# Altium PCB Thermostat_EEM.PCBDOC (part 9 of 10)
Units mm, origin at the board's own origin, x right, y up, seen from the top; angles counter-clockwise.
Board outline 162.48 x 100 mm, 4 copper layers (TOP, G1, L2, BOT), stack 1.55 mm thick; 903 components, 476 nets, 2667 pads, 1400 vias.
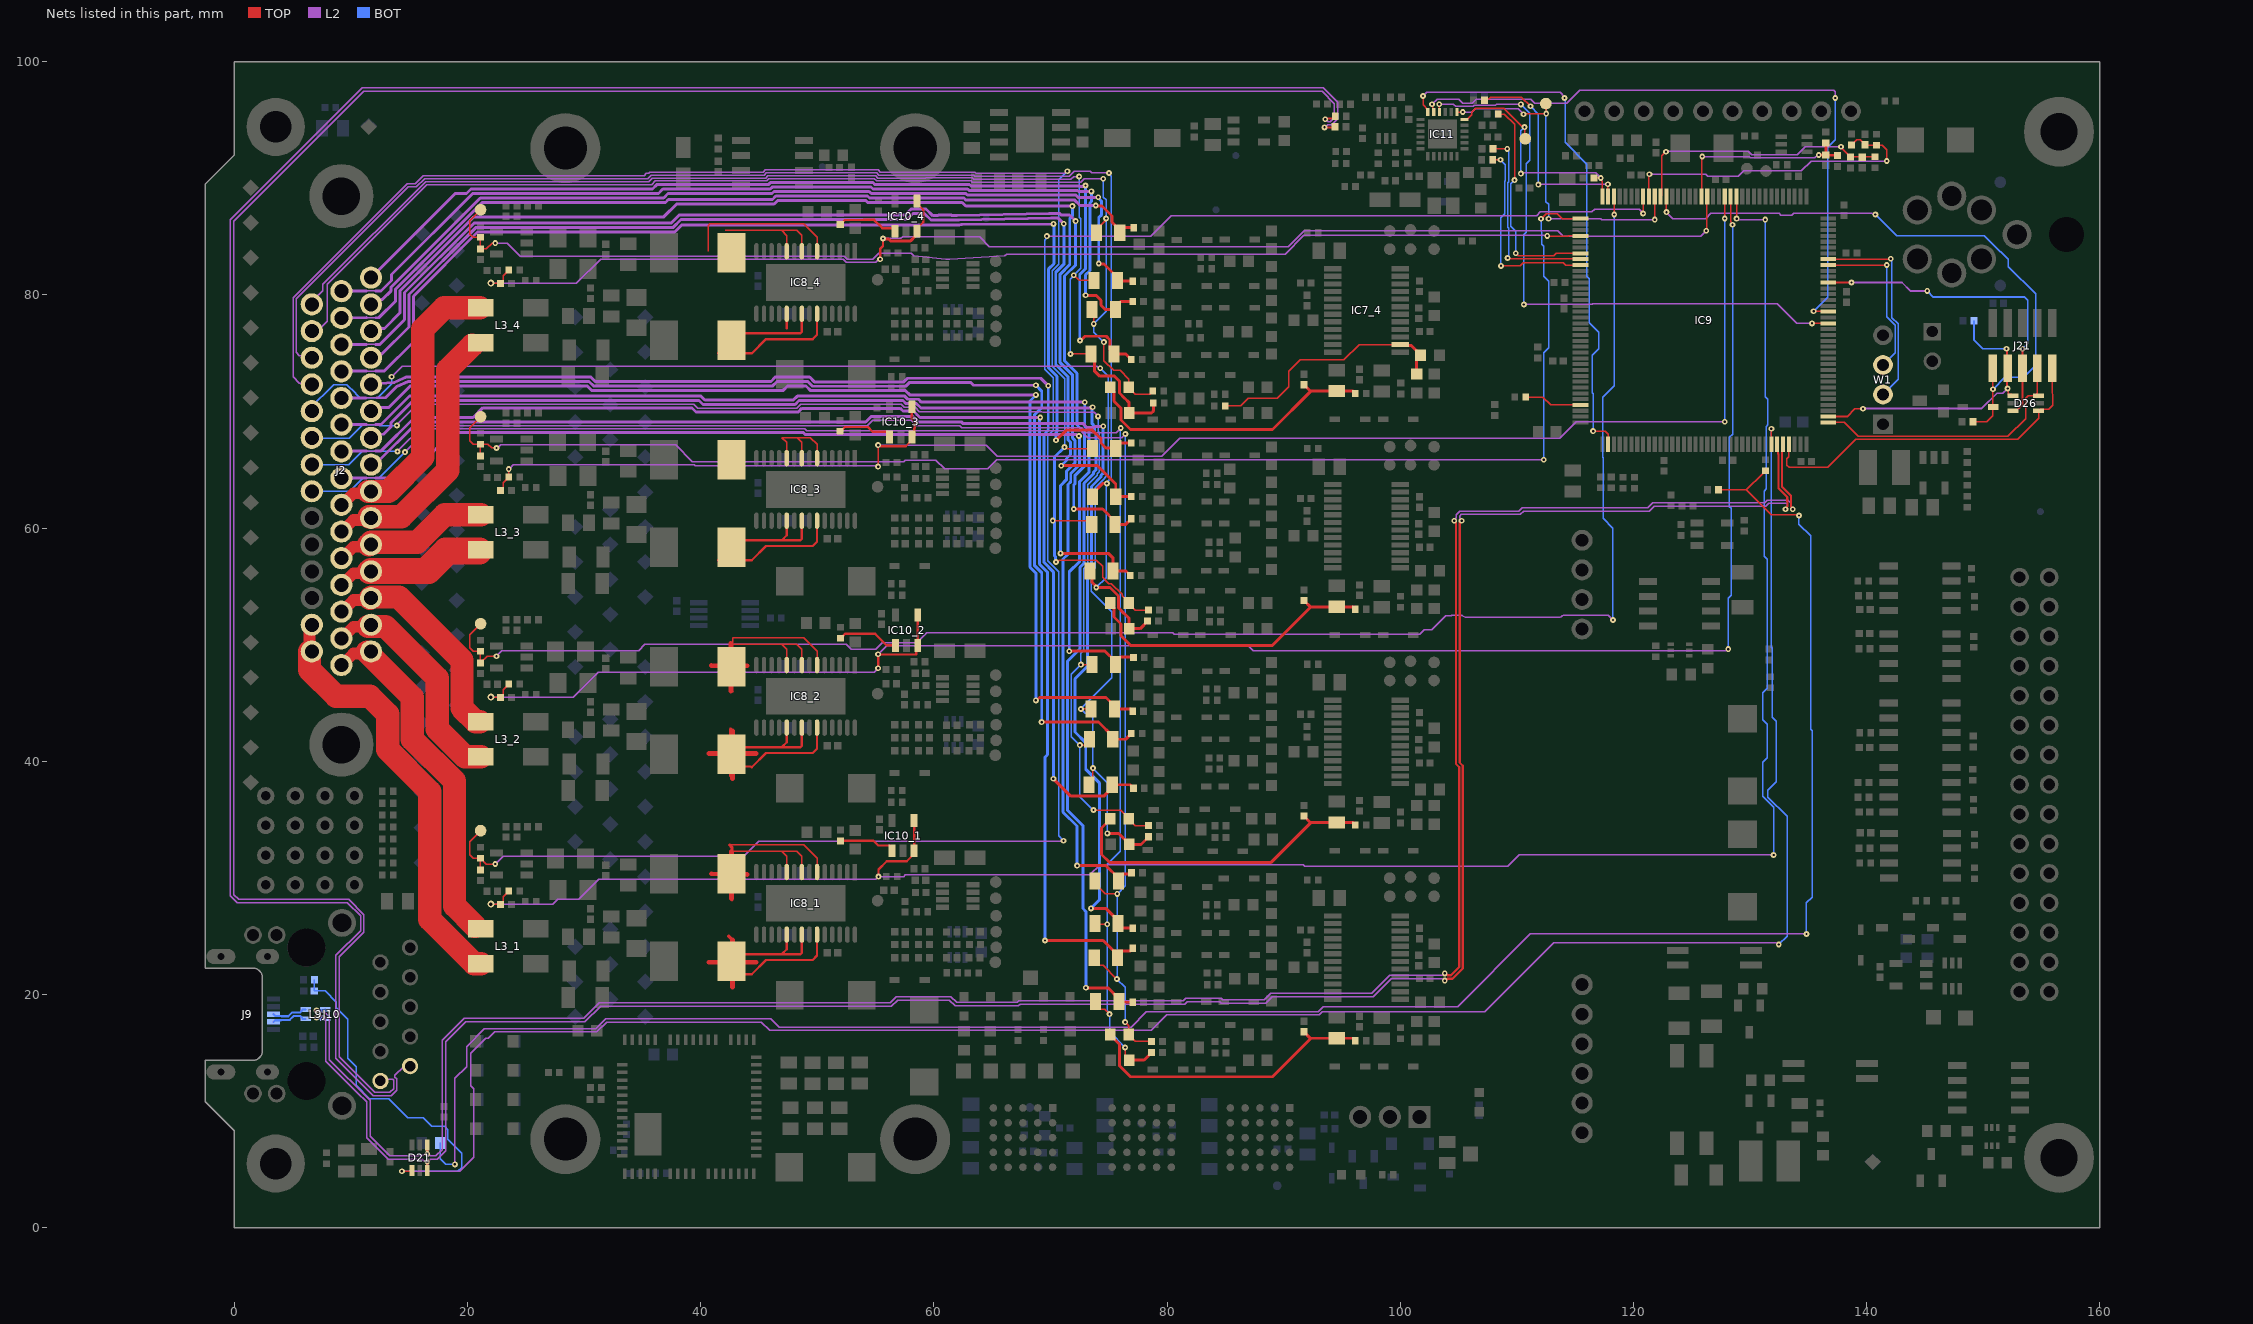
[diagram p11: the nets of this part, all layers, seen from the top]

## Via types
v1: diameter 0.5, hole 0.2, TOP to BOT, tented both sides, 1027 vias
v2: diameter 0.7, hole 0.4, TOP to BOT, tented both sides, 186 vias
v3: diameter 0.6, hole 0.3, TOP to BOT, tented both sides, 97 vias
v4: diameter 0.6, hole 0.3, TOP to BOT, 81 vias
v5: diameter 0.66, hole 0.33, TOP to BOT, tented both sides, 9 vias

## Nets (pads, with @x,y where several pads share a name; then routed paths per layer and width w, separated by ;. In a path a pad name is that pad's centre, name@x,y a point inside that pad or via, vN(x,y) a via of type N, cw(c..) or ccw(c..) an arc to the next point about the centre after c; other vN are vias at no path point) (continued)
REF-_4: C121_4.1 C123_4.2 IC7_4.2 R153_4.2 | length 21.9
  TOP w0.127: R153_4.2@84.998,70.481 86.324,70.481 86.98,71.136 89.466,71.136 90.439,72.109 90.439,73.456 91.412,74.429 95.155,74.429 96.474,75.748 IC7_4.2@100.021,75.748
  TOP w0.254: IC7_4.2@100.021,75.748 100.119,75.65 100.971,75.65 101.753,74.869 101.753,74.819 101.403,74.469 C123_4.2@101.403,73.206
RMII_CRS_DV: IC9.43 R27.1 | length 18.9
  TOP w0.127: R27.1@108.41,95.522 108.929,95.522 109.815,94.636 109.815,89.864 v1(109.803,89.852) ; v1(109.904,83.575) 110.102,83.377 113.171,83.377 113.362,83.569 IC9.43@115.453,83.569
  BOT w0.127: v1@109.879,89.776 109.727,89.776 109.486,89.534 109.486,85.895 109.904,85.477 v1(109.904,83.575)
RMII_MDC: B16.1 IC9.27 IC11.13 | length 29.1
  TOP w0.127: IC11.13@104.87,95.7 104.883,95.687 v1(105.356,95.687) ; v1(110.573,95.499) 110.625,95.552 v1(112.522,95.552) 112.522,95.944 112.489,95.977 B16.1@112.489,96.413 ; v1(121.828,86.465) IC9.27@121.828,88.444
  L2 w0.127: v1(105.356,95.687) 106.137,95.687 106.42,95.97 110.102,95.97 v1(110.573,95.499) ; v1@112.818,86.465 112.897,86.544 117.202,86.544 117.282,86.465 v1(121.828,86.465)
  BOT w0.127: v1@110.562,95.511 v1(110.573,95.499) ; v1(112.522,95.552) 112.495,95.525 112.495,87.997 112.727,87.765 v1(112.727,86.544)
RMII_MDIO: B17.1 IC9.36 IC11.12 R98.2 | length 20.6
  TOP w0.127: IC11.12@105.52,95.05 105.725,95.05 106.137,95.462 106.137,95.687 106.473,96.023 108.873,96.023 110.424,94.471 110.579,94.471 v1(110.651,94.4) ; v1@110.641,94.386 110.684,94.344 110.684,93.429 B17.1@110.717,93.396 ; R98.2@116.617,90.037 v1@117.06,90.037 ; v1(117.194,90.031) 117.194,89.903 117.328,89.769 IC9.36@117.328,88.444
  L2 w0.127: v1(110.345,90.41) 110.413,90.477 116.747,90.477 v1(117.194,90.031)
  BOT w0.127: v1(110.345,90.41) 110.345,94.083 110.651,94.388 v1(110.651,94.4)
RMII_REF_CLK: IC9.35 R29.1 | length 18.4
  TOP w0.127: R29.1@107.218,96.695 107.346,96.822 107.624,96.822 107.762,96.96 110.398,96.96 v1(111.174,96.184) ; v1(117.804,89.5) 117.816,89.488 117.816,88.455 IC9.35@117.828,88.444
  L2 w0.127: v1(111.846,89.463) 111.865,89.481 117.786,89.481 v1(117.804,89.5)
  BOT w0.127: v1(111.174,96.184) 111.846,95.512 v1(111.846,89.463)
RMII_RXD0: IC9.44 R23.1 | length 17.1
  TOP w0.127: R23.1@107.946,92.53 R23.1@107.946,92.55 109.156,92.55 v1(109.176,92.53) ; v1(109.211,83.169) 109.279,83.101 115.42,83.101 IC9.44@115.453,83.069
  BOT w0.127: v1(109.176,92.53) 109.176,92.429 109.32,92.286 109.32,89.728 109.232,89.64 109.232,85.79 109.32,85.702 109.32,83.378 109.211,83.27 v1(109.211,83.169)
RMII_RXD1: IC9.45 R24.1 | length 17.1
  TOP w0.127: R24.1@107.94,91.6 v1(108.596,91.6) ; v1(108.638,82.496) 110.272,82.496 110.553,82.777 113.994,82.777 114.203,82.569 IC9.45@115.453,82.569
  BOT w0.127: v1(108.596,91.6) 109.021,91.175 109.021,89.788 108.978,89.745 108.978,86.974 108.638,86.634 v1(108.638,82.496)
RMII_TX_EN: IC9.126 IC11.16 | length 52.3
  TOP w0.127: v1(103.347,96.358) 103.358,96.347 103.358,95.711 IC11.16@103.37,95.7 ; v1(135.312,77.569) IC9.126@136.703,77.569
  L2 w0.127: v1(103.347,96.358) 104.566,96.358 104.739,96.185 106.276,96.185 106.348,96.257 108.163,96.257 108.255,96.35 v1(110.345,96.35) ; v1(110.603,79.184) 116.456,79.184 116.531,79.259 132.321,79.259 134.011,77.569 v1(135.312,77.569)
  BOT w0.127: v1(110.345,96.35) 111.091,95.604 111.091,91.565 110.785,91.26 110.785,85.364 110.603,85.181 v1(110.603,79.184)
RMII_TXD0: IC9.128 IC11.17 | length 57.3
  TOP w0.127: v1(102.72,96.358) 102.72,96.257 102.793,96.184 102.793,95.776 IC11.17@102.87,95.7 ; v1(135.451,78.6) 135.467,78.584 136.687,78.584 IC9.128@136.703,78.569
  L2 w0.127: v1(102.72,96.358) 103.16,96.799 105.013,96.799 105.373,96.439 106.171,96.439 106.522,96.791 111.19,96.791 111.533,96.448 114.276,96.448 115.402,97.573 137.172,97.573 137.311,97.434 v1(137.311,96.888)
  BOT w0.127: v1(135.451,78.6) 136.651,79.8 136.651,92.672 137.311,93.333 v1(137.311,96.888)
RMII_TXD1: IC9.74 IC11.18 | length 46.4
  TOP w0.127: v1(101.954,97.069) 101.954,96.321 102.37,95.905 IC11.18@102.37,95.7 ; v1(116.544,68.327) 117.56,68.327 117.828,68.059 IC9.74@117.828,67.194
  L2 w0.127: v1(101.954,97.069) 102.277,97.392 113.734,97.392 113.893,97.233 113.893,97.177 114.081,96.989 v1(114.081,96.888)
  BOT w0.127: v1(114.081,96.888) 114.133,96.836 114.133,93.083 115.985,91.231 115.985,81.601 116.206,81.381 116.206,77.631 117.04,76.796 117.04,75.393 116.46,74.812 116.46,71.634 116.544,71.549 v1(116.544,68.327)
RSTn: D5.2 IC9.25 J21.10 R62.2 | length 53.3
  TOP w0.127: v1(122.828,87.106) IC9.25@122.828,88.444 ; R62.2@149.126,69.121 150.28,69.121 150.82,69.661 J21.10@150.82,73.6
  L2 w0.127: v1(122.828,87.106) 123.38,86.554 126.188,86.554 126.629,86.994 132.496,86.994 132.645,86.844 133.578,86.844 133.728,86.994 140.484,86.994 140.501,86.977 140.674,86.977 v1(140.745,86.906)
  BOT w0.127: v1(140.745,86.906) 142.561,85.09 150.091,85.09 151.465,83.716 151.492,83.69 152.13,83.052 152.13,82.462 152.158,82.434 154.507,80.085 154.507,73.959 153.485,72.937 151.865,72.937 v1(150.843,71.916)
RXD: IC9.137 W1.2 | length 17.8
  TOP w0.127: IC9.137@136.703,83.069 142.029,83.069 v1(142.066,83.105)
  BOT w0.127: W1.2@141.4,71.46 142.695,72.755 142.695,77.524 142.171,78.047 142.171,82.758 142.137,82.792 142.137,83.034 v1(142.066,83.105)
SENS0_1: J2.23 R40_1.1 R91_1.1 | length 108.2
  TOP w0.254: v1(72.286,31.058) 74.774,31.058 R91_1.1@75.837,29.995 ; R91_1.1@75.837,29.745 R91_1.1@75.837,29.995 ; R40_1.1@76.96,30.443 76.859,30.343 76.185,30.343 R91_1.1@75.837,29.995
  L2 w0.127: 11.358,64.312 12.102,64.312
  L2 w0.254: J2.23@9.207,64.312 11.358,64.312 ; 12.102,64.312 14.814,64.312 18.724,68.223 48.786,68.223 48.964,68.045 72.221,68.045 v1@72.228,68.038
  BOT w0.254: v1(72.286,31.058) 72.286,34.448 71.087,35.646 71.087,57.355 71.495,57.763 71.495,63.743 71.741,63.989 71.741,64.699 72.472,65.429 72.472,67.866 v1(72.436,67.903)
SENS0_2: J2.8 R42_1.1 R44_1.1 | length 113
  TOP w0.254: v1(73.485,27.396) 74.748,27.396 75.81,26.334 75.81,25.834 75.948,25.696 R42_1.1@77.05,25.696
  L2 w0.254: J2.8@11.73,65.457 12.073,65.457 15.727,69.112 54.158,69.112 54.61,69.564 58.194,69.564 58.64,69.118 62.357,69.118 62.48,68.995 72.775,68.995 73.14,68.63 73.743,68.63 73.853,68.74 v1(74.522,68.74)
  BOT w0.254: v1(73.485,27.396) 74.191,28.102 74.191,38.16 73.029,39.322 73.029,41.603 72.103,42.529 72.103,47.082 73.17,48.149 73.17,56.377 73.519,56.727 73.519,63.585 74.337,64.402 74.337,64.535 74.522,64.72 v1(74.522,68.74)
SENS0_2_N: J2.10 R42_2.1 R44_2.1 | length 94.2
  TOP w0.254: v1(68.75,45.23) 68.817,45.23 69.059,45.473 74.755,45.473 75.484,44.744 R44_2.1@75.484,44.494 76.874,44.494 77.049,44.318 R42_2.1@77.049,44.298
  L2 w0.254: J2.10@11.73,70.037 12.045,70.352 13.258,70.352 15.115,72.209 30.26,72.209 30.642,71.828 47.085,71.828 47.451,72.194 49.034,72.194 49.436,71.791 57.571,71.791 57.924,71.439 63.276,71.439 63.284,71.431 v1(68.75,71.431)
  BOT w0.254: v1(68.75,45.23) 68.75,56.143 68.238,56.655 68.238,70.918 v1(68.75,71.431)
SENS0_2_P: J2.25 R40_2.1 R91_2.1 | length 93.4
  TOP w0.254: v1(71.612,49.449) 74.682,49.449 R91_2.1@75.573,48.557 ; R91_2.1@75.573,48.307 R91_2.1@75.573,48.557 ; R91_2.1@75.74,48.724 R91_2.1@75.573,48.557 ; R91_2.1@75.972,48.956 R40_2.1@77.05,48.956
  L2 w0.127: 11.358,68.892 12.102,68.892
  L2 w0.254: J2.25@9.207,68.892 11.358,68.892 ; 12.102,68.892 12.595,68.892 15.039,71.336 32.417,71.336 32.431,71.321 40.024,71.321 40.359,70.986 47.951,70.986 48.287,71.321 57.503,71.321 57.766,71.058 58.676,71.058 58.928,70.806 v1(72.943,70.806)
  BOT w0.254: v1(71.612,49.449) 71.612,56.256 72.503,57.147 72.503,64.006 73.321,64.823 73.321,68.361 72.943,68.74 v1(72.943,70.806)
SENS0_3_N: J2.12 R42_3.1 R44_3.1 | length 96.3
  TOP w0.254: v1(70.92,65.356) 74.044,65.356 75.601,63.799 R44_3.1@75.601,62.693 75.621,62.713 R42_3.1@76.924,62.713
  L2 w0.254: J2.12@11.73,74.617 12.045,74.932 12.654,74.932 14.986,77.265 14.986,80.047 20.713,85.774 37.616,85.774 38.307,86.466 57.686,86.466 58.216,86.996 59.178,86.996 59.754,86.42 62.136,86.42 ccw(c62.136,86.674) 62.142,86.42 70.048,86.604 70.646,86.604 70.72,86.53 v1(71.144,86.106)
  BOT w0.254: v1(70.92,65.356) 71.366,65.803 71.366,65.982 71.71,66.326 71.71,67.377 71.524,67.563 71.524,72.969 70.453,74.039 70.453,81.942 71.144,82.633 v1(71.144,86.106)
SENS0_3_P: J2.27 R40_3.1 R91_3.1 | length 95.2
  TOP w0.254: v1(70.48,67.541) 71.346,68.407 73.587,68.407 74.33,67.664 74.33,67.299 74.745,66.884 R91_3.1@75.401,66.884 ; R91_3.1@75.601,66.958 75.949,67.306 R40_3.1@76.924,67.306
  L2 w0.127: 11.358,73.469 12.115,73.469
  L2 w0.254: J2.27@9.207,73.472 11.358,73.472 ; 12.117,73.471 12.865,73.471 15.367,75.973 15.367,79.889 20.871,85.393 37.774,85.393 38.368,85.988 62.143,85.988 ccw(c62.143,86.242) 62.212,85.997 62.331,86.031 cw(c62.399,85.786) 62.396,86.04 ; 62.398,86.04 v1(70.255,86.1)
  BOT w0.254: v1(70.255,86.1) 70.3,86.055 70.3,82.688 69.818,82.205 69.818,73.776 70.569,73.026 70.569,68.279 70.48,68.191 v1(70.48,67.541)
SENS0_4_N: J2.14 R42_4.1 R44_4.1 | length 76.7
  TOP w0.254: v1(74.141,82.702) 74.188,82.655 74.587,82.655 75.745,81.497 75.745,80.997 75.93,81.183 R42_4.1@77.049,81.183
  L2 w0.254: J2.14@11.73,79.197 12.175,79.197 12.583,79.604 12.697,79.604 13.462,80.369 13.462,80.678 21.101,88.317 21.507,88.317 21.515,88.326 36.827,88.326 37.2,88.698 46.121,88.698 46.29,88.868 48.688,88.868 48.701,88.881 54.457,88.881 54.64,88.698 59.842,88.698 59.844,88.701 62.745,88.701 62.866,88.579 72.172,88.579 72.373,88.379 v1(74.093,88.379)
  BOT w0.254: v1(74.093,88.379) 74.093,88.312 74.391,88.014 74.391,86.891 74.141,86.641 v1(74.141,82.702)
SENS0_4_P: J2.29 R40_4.1 R91_4.1 | length 74.8
  TOP w0.254: v1(73.887,87.681) 73.934,87.634 74.418,87.634 75.28,86.772 75.28,86.244 75.941,85.584 R91_4.1@75.941,85.427 ; R91_4.1@75.941,85.334 R91_4.1@75.941,85.427 ; R40_4.1@77.148,85.775 76.289,85.775 R91_4.1@75.941,85.427
  L2 w0.127: 11.362,78.048 12.175,78.048
  L2 w0.254: J2.29@9.202,78.048 11.344,78.048 11.358,78.052 ; 12.175,78.048 12.397,78.048 13.843,79.494 13.843,80.521 21.259,87.936 36.977,87.936 37.231,88.19 46.151,88.19 46.448,88.487 48.846,88.487 48.859,88.5 54.299,88.5 54.484,88.316 59.998,88.316 60.002,88.32 62.587,88.32 62.78,88.127 72.086,88.127 72.532,87.681 v1(73.887,87.681)
SENS1_1: J2.24 R46_1.1 R50_1.1 | length 116
  TOP w0.254: v1(69.533,24.641) 74.521,24.641 75.407,23.755 75.511,23.755 R50_1.1@75.518,23.748 ; R50_1.1@75.755,23.157 75.518,23.394 R50_1.1@75.518,23.748 ; R46_1.1@77.05,23.978 77.05,23.958 76.848,23.755 75.525,23.755 R50_1.1@75.518,23.748
  L2 w0.127: 11.358,66.602 12.102,66.602
  L2 w0.254: J2.24@9.207,66.602 11.358,66.602 ; 12.102,66.602 12.559,66.602 15.45,69.493 20.491,69.493 21.318,70.32 30.174,70.32 30.189,70.305 39.264,70.305 39.599,69.97 48.372,69.97 48.681,70.278 57.109,70.278 57.345,70.042 58.255,70.042 58.798,69.499 v1(69.123,69.499)
  BOT w0.254: v1(69.123,69.499) 69.123,69.433 69.056,69.366 69.056,56.915 69.746,56.224 69.746,40.572 69.533,40.359 v1(69.533,24.641)
SENS1_2: J2.9 R48_1.1 R132_1.1 | length 120.7
  TOP w0.254: v1(73.036,20.582) 74.929,20.582 75.866,19.645 75.866,19.158 76.051,19.344 R48_1.1@77.05,19.344
  L2 w0.254: J2.9@11.53,67.747 J2.9@11.63,67.847 ; J2.9@11.73,67.747 12.038,68.056 12.796,68.056 13.441,68.701 13.441,69.009 13.442,69.045 15.2,70.803 15.439,70.803 15.591,70.955 32.259,70.955 32.274,70.94 39.866,70.94 40.201,70.605 48.109,70.605 48.445,70.94 57.345,70.94 57.608,70.677 58.518,70.677 58.893,70.302 73.152,70.302 73.169,70.319 73.569,70.319 v1(73.616,70.366)
  BOT w0.254: v1(73.036,20.582) 73.036,27.132 72.79,27.378 72.79,34.482 71.468,35.804 71.468,48.592 72.535,49.659 72.535,56.64 72.884,56.99 72.884,63.848 73.702,64.665 73.702,64.798 73.887,64.983 73.887,68.072 73.762,68.198 73.762,68.772 73.575,68.958 73.575,70.324 v1(73.616,70.366)
SENS1_2_N: J2.11 R48_2.1 R132_2.1 | length 101.4
  TOP w0.254: v1(70.25,38.508) 71.743,37.016 74.573,37.016 75.302,37.745 R132_2.1@75.302,37.995 76.832,37.995 77.113,37.714 R48_2.1@77.113,37.694
  L2 w0.254: J2.11@11.73,72.327 11.748,72.348 13.72,72.495 ; 13.721,72.495 13.763,72.514 14.764,72.971 30.576,72.971 30.958,72.59 46.032,72.59 46.398,72.956 49.349,72.956 49.752,72.553 57.427,72.553 57.734,72.86 69.16,72.86 v1(69.811,72.21)
  BOT w0.254: v1(69.811,72.21) 69.811,68.419 69.437,68.045 69.437,57.072 70.25,56.259 v1(70.25,38.508)
SENS1_2_P: J2.26 R46_2.1 R50_2.1 | length 99
  TOP w0.254: v1(69.242,43.369) 74.124,43.369 75.345,42.148 R50_2.1@75.345,41.898 76.461,41.898 76.929,42.367 R46_2.1@76.929,42.387
  L2 w0.127: 11.311,71.179 12.234,71.179
  L2 w0.254: J2.26@9.202,71.178 11.311,71.178 ; 12.243,71.188 12.977,71.188 13.934,72.146 14.922,72.59 30.418,72.59 30.8,72.209 46.19,72.209 46.556,72.575 49.191,72.575 49.594,72.172 57.584,72.172 57.891,72.479 63.176,72.479 63.398,72.257 v1(68.75,72.257)
  BOT w0.254: v1(68.75,72.257) 69.254,71.753 69.254,70.343 68.619,69.708 68.619,56.813 69.254,56.177 69.254,43.381 v1(69.242,43.369)
SENS1_3_N: J2.13 R48_3.1 R132_3.1 | length 104.8
  TOP w0.254: v1(70.862,57.842) 74.963,57.842 75.376,57.43 R132_3.1@75.376,56.339 76.473,56.339 76.846,55.967 R48_3.1@76.846,55.947 R48_3.1@76.816,55.976
  L2 w0.254: J2.13@11.73,76.907 11.953,77.13 12.881,77.13 14.224,78.474 14.224,80.363 20.561,86.7 36.835,86.7 37.945,87.809 46.309,87.809 46.606,88.106 49.004,88.106 49.017,88.119 54.141,88.119 54.326,87.935 60.156,87.935 60.16,87.939 62.43,87.939 62.745,87.623 71.064,87.623 71.067,87.62 v1(71.881,87.62)
  BOT w0.254: v1(70.862,57.842) 70.862,63.648 71.36,64.147 71.36,64.856 72.091,65.587 72.091,67.535 71.905,67.721 71.905,73.126 70.834,74.197 70.834,81.785 71.656,82.607 71.656,86.543 71.881,86.768 v1(71.881,87.62)
SENS1_3_P: J2.28 R46_3.1 R50_3.1 | length 101.7
  TOP w0.254: v1(71.999,61.641) 74.478,61.641 75.539,60.58 R50_3.1@75.539,60.33 76.468,60.33 76.933,60.794 R46_3.1@76.933,60.814
  L2 w0.127: 11.358,75.762 12.1,75.762
  L2 w0.254: J2.28@9.19,75.745 9.209,75.764 11.353,75.764 ; 12.102,75.762 12.482,75.762 14.605,77.885 14.605,80.205 20.555,86.155 37.458,86.155 38.15,86.847 57.528,86.847 58.058,87.377 59.336,87.377 59.912,86.801 60.329,86.801 60.389,86.862 61.503,86.862 61.563,86.801 61.981,86.801 69.89,86.985 70.803,86.985 70.878,86.911 70.927,86.862 71.633,86.862 v1(72.16,86.335)
  BOT w0.254: v1(71.999,61.641) 71.999,63.708 72.122,63.831 72.122,64.541 72.94,65.358 72.94,68.204 72.286,68.858 72.286,73.284 71.215,74.355 71.215,81.627 72.16,82.572 v1(72.16,86.335)
SENS1_4_N: J2.15 R48_4.1 R132_4.1 | length 84.2
  TOP w0.254: v1(72.541,76.098) 72.608,76.098 72.97,76.461 74.79,76.461 75.115,76.136 75.115,75.294 R132_4.1@75.463,74.946 76.467,74.946 76.924,74.489 R48_4.1@76.924,74.469
  L2 w0.254: J2.15@11.73,81.487 18.949,88.707 19.913,88.707 20.294,89.088 35.863,89.088 36.235,89.46 45.805,89.46 45.975,89.63 48.372,89.63 48.386,89.643 54.772,89.643 54.956,89.46 59.527,89.46 59.529,89.463 63.061,89.463 63.182,89.341 72.488,89.341 72.529,89.3 72.739,89.3 72.779,89.34 72.953,89.34 v1(73,89.387)
  BOT w0.254: v1(72.541,76.098) 72.512,76.127 72.512,81.762 73,82.25 v1(73,89.387)
SENS1_4_P: J2.30 R46_4.1 R50_4.1 | length 82.8
  TOP w0.254: v1(73.016,79.973) 73.911,79.973 74.341,79.543 74.341,79.128 74.725,78.744 R50_4.1@75.581,78.744 75.581,78.994 76.028,79.441 R46_4.1@77.049,79.441
  L2 w0.127: 11.358,80.342 12.102,80.342
  L2 w0.254: J2.30@9.207,80.342 11.358,80.342 ; 12.102,80.342 12.587,80.342 13.496,81.251 13.496,81.75 20.452,88.707 36.382,88.707 36.754,89.079 45.963,89.079 46.132,89.249 48.53,89.249 48.544,89.262 54.615,89.262 54.798,89.079 59.684,89.079 59.686,89.082 62.903,89.082 63.024,88.96 72.33,88.96 72.408,88.883 v1(73.508,88.883)
  BOT w0.254: v1(73.016,79.973) 73.016,81.727 73.383,82.094 73.383,87.89 73.508,88.015 v1(73.508,88.883)
SW1_1: IC8_1.19 IC8_1.21 IC8_1.23 L2_1.1 | length 31.7
  TOP w0.203: L2_1.1@42.67,21.744 44.376,21.744 45.6,22.968 49.61,22.968 49.982,23.34 IC8_1.23@49.982,25.145 ; L2_1.1@43.025,23.152 43.344,23.471 46.965,23.471 ; IC8_1.19@47.382,25.145 47.382,23.889 46.965,23.471 ; IC8_1.21@48.682,25.145 48.682,23.59 48.563,23.471 46.965,23.471
  TOP w0.254: 42.377,25.044 42.67,24.751 42.67,21.744 42.67,20.619
  TOP w0.4: 40.681,22.781 44.772,22.781 ; 42.726,20.619 42.726,24.71
SW1_2: IC8_2.19 IC8_2.21 IC8_2.23 L2_2.1 | length 31.4
  TOP w0.152: L2_2.1@42.574,39.569 44.301,39.569 44.376,39.494
  TOP w0.203: L2_2.1@43.025,40.902 43.338,41.215 46.959,41.215 46.965,41.221 ; 44.376,39.494 45.6,40.718 49.61,40.718 49.982,41.09 IC8_2.23@49.982,42.895 ; IC8_2.19@47.382,42.895 47.382,41.639 46.965,41.221 ; IC8_2.21@48.682,42.895 48.682,41.34 48.563,41.221 46.965,41.221
  TOP w0.254: 42.574,38.755 42.574,39.569 42.574,42.783 42.585,42.794
  TOP w0.4: 40.681,40.683 44.772,40.683 ; 42.726,38.521 42.726,42.612
SW1_3: IC8_3.19 IC8_3.21 IC8_3.23 L2_3.1 | length 20.2
  TOP w0.203: L2_3.1@41.487,57.244 44.376,57.244 45.6,58.468 49.61,58.468 49.982,58.84 IC8_3.23@49.982,60.645 ; L2_3.1@43.025,58.652 43.344,58.971 46.965,58.971 ; IC8_3.19@47.382,60.645 47.382,59.389 46.965,58.971 ; IC8_3.21@48.682,60.645 48.682,59.09 48.563,58.971 46.965,58.971
SW1_4: IC8_4.19 IC8_4.21 IC8_4.23 L2_4.1 | length 19.6
  TOP w0.203: L2_4.1@41.487,74.994 44.376,74.994 45.6,76.218 49.61,76.218 49.982,76.59 IC8_4.23@49.982,78.395 ; L2_4.1@43.025,76.402 43.344,76.721 46.965,76.721 48.563,76.721 48.682,76.84 IC8_4.21@48.682,78.395 ; 47.382,77.139 IC8_4.19@47.382,78.395
SW2_1: IC8_1.6 IC8_1.8 IC8_1.10 L4_1.1 | length 31.1
  TOP w0.127: 42.467,32.844 48.832,32.844 49.982,31.694 IC8_1.6@49.982,30.505 ; 42.67,32.284 46.501,32.284 ; IC8_1.10@47.382,30.505 47.382,31.851 46.949,32.284 46.501,32.284 ; IC8_1.8@48.682,30.505 48.682,31.858 48.256,32.284 46.501,32.284
  TOP w0.254: 42.467,32.844 42.67,32.641 42.67,32.284 42.67,28.118
  TOP w0.4: 40.925,30.36 44.002,30.302 ; 42.65,28.216 42.65,32.307
SW2_2: IC8_2.6 IC8_2.8 IC8_2.10 L4_2.1 | length 31.4
  TOP w0.127: 42.775,45.946 42.762,45.959 42.762,50.034 ; IC8_2.10@47.382,48.255 47.382,49.601 46.949,50.034 48.256,50.034 ; IC8_2.8@48.682,48.255 48.682,49.608 48.256,50.034 ; IC8_2.6@49.982,48.255 49.982,49.444 48.832,50.594 42.762,50.594 42.762,50.034 ; 42.762,50.034 48.256,50.034
  TOP w0.4: 40.915,48.219 44.002,48.204 ; 42.574,46.042 42.574,50.133
SW2_3: IC8_3.6 IC8_3.8 IC8_3.10 L4_3.1 | length 9.2
  TOP w0.127: L4_3.1@42.65,65.878 43.049,66.277 L4_3.1@43.049,66.579 ; IC8_3.10@47.382,66.005 47.382,67.351 46.964,67.769 48.271,67.769 ; IC8_3.8@48.682,66.005 48.682,67.358 48.271,67.769 ; IC8_3.6@49.982,66.005 49.982,67.194 49.407,67.769 48.271,67.769
SW2_4: IC8_4.6 IC8_4.8 IC8_4.10 L4_4.1 | length 24.7
  TOP w0.127: 40.631,83.755 40.631,85.925 40.799,86.094 48.832,86.094 49.982,84.944 IC8_4.6@49.982,83.755 ; 42.108,85.534 46.949,85.534 47.382,85.101 IC8_4.10@47.382,83.755 ; L4_4.1@42.65,83.628 43.049,84.027 L4_4.1@43.049,84.329 ; 46.465,85.498 46.501,85.534 48.256,85.534 48.682,85.108 IC8_4.8@48.682,83.755
SWCLK: D26.3 IC9.109 J21.4 | length 23.3
  TOP w0.127: IC9.109@136.703,69.069 138.078,69.069 139.267,67.879 152.119,67.879 153.64,69.401 153.64,71.158 153.846,71.363 D26.3@154.437,71.363 ; J21.4@154.63,73.6 154.63,71.556 D26.3@154.437,71.363 ; D26.3@154.74,71.363 D26.3@154.437,71.363
SWDIO: D26.1 IC9.105 J21.2 | length 30.4
  TOP w0.127: IC9.105@133.328,67.194 133.328,66.136 133.164,65.972 133.164,65.398 133.355,65.208 136.661,65.208 139.079,67.625 152.941,67.625 154.74,69.425 D26.1@154.74,70.063 154.877,70.2 155.601,70.2 155.949,70.548 155.949,71.507 155.9,71.556 J21.2@155.9,73.6
TACHO: IC9.69 R9.1 | length 5
  TOP w0.127: R9.1@110.755,71.247 112.223,71.247 112.901,70.569 IC9.69@115.453,70.569
TD_N: J10.2 R134.2 | length 196.1
  TOP w0.152: v1(93.5,94.373) 94.337,94.373 R134.2@94.399,94.435
  L2 w0.127: J10.2@14.579,13.865 14.579,13.828 14.542,13.828 13.781,13.066 13.781,12.924 13.939,12.766 13.939,11.804 13.472,11.337 11.941,11.337 8.725,14.554 8.725,23.375 10.832,25.482 10.832,26.741 9.695,27.877 0.252,27.877 -0.329,28.459 -0.329,86.458 10.972,97.759 93.414,97.759 94.043,97.13 94.142,97.031 94.636,96.537 94.636,95.113 94.105,94.582 93.761,94.582 93.552,94.373 v1(93.5,94.373)
TD_P: J10.1 R133.2 | length 193.8
  TOP w0.152: v1(93.57,95.07) 93.637,95.137 94.036,95.137 94.062,95.163 94.257,95.163 R133.2@94.429,95.335
  L2 w0.127: J10.1@12.039,12.595 12.171,12.726 13.583,12.726 13.66,12.65 13.66,11.919 13.356,11.616 12.057,11.616 9.004,14.669 9.004,23.259 11.111,25.366 11.111,26.857 9.811,28.157 0.368,28.157 -0.05,28.575 -0.05,86.342 11.088,97.48 93.298,97.48 94.357,96.421 94.357,95.229 93.989,94.861 93.831,94.861 93.622,95.07 v1(93.57,95.07)
TDI: D26.4 IC9.110 J21.8 R33.1 | length 26
  TOP w0.152: IC9.110@136.703,69.569 138.325,69.569 138.996,70.239 v1(139.686,70.239) ; v1(152,75.387) 152.045,75.342 152.045,72.025 v1(152.09,71.98) 152.142,71.929 D26.4@152.142,71.487 ; D26.4@152.142,71.487 152.417,71.487 D26.4@152.54,71.363 152.265,71.363 D26.4@152.142,71.487